# Altium PCB ARDUINO_PCB.PcbDoc
Units mm, origin at the board's own origin, x right, y up, seen from the top; angles counter-clockwise.
Board outline 73.3 x 54.2 mm, 2 copper layers (L1, L2), stack 1.671 mm thick; 106 components, 71 nets, 323 pads, 74 vias.
Unrouted connection lines stored in the file: 2.
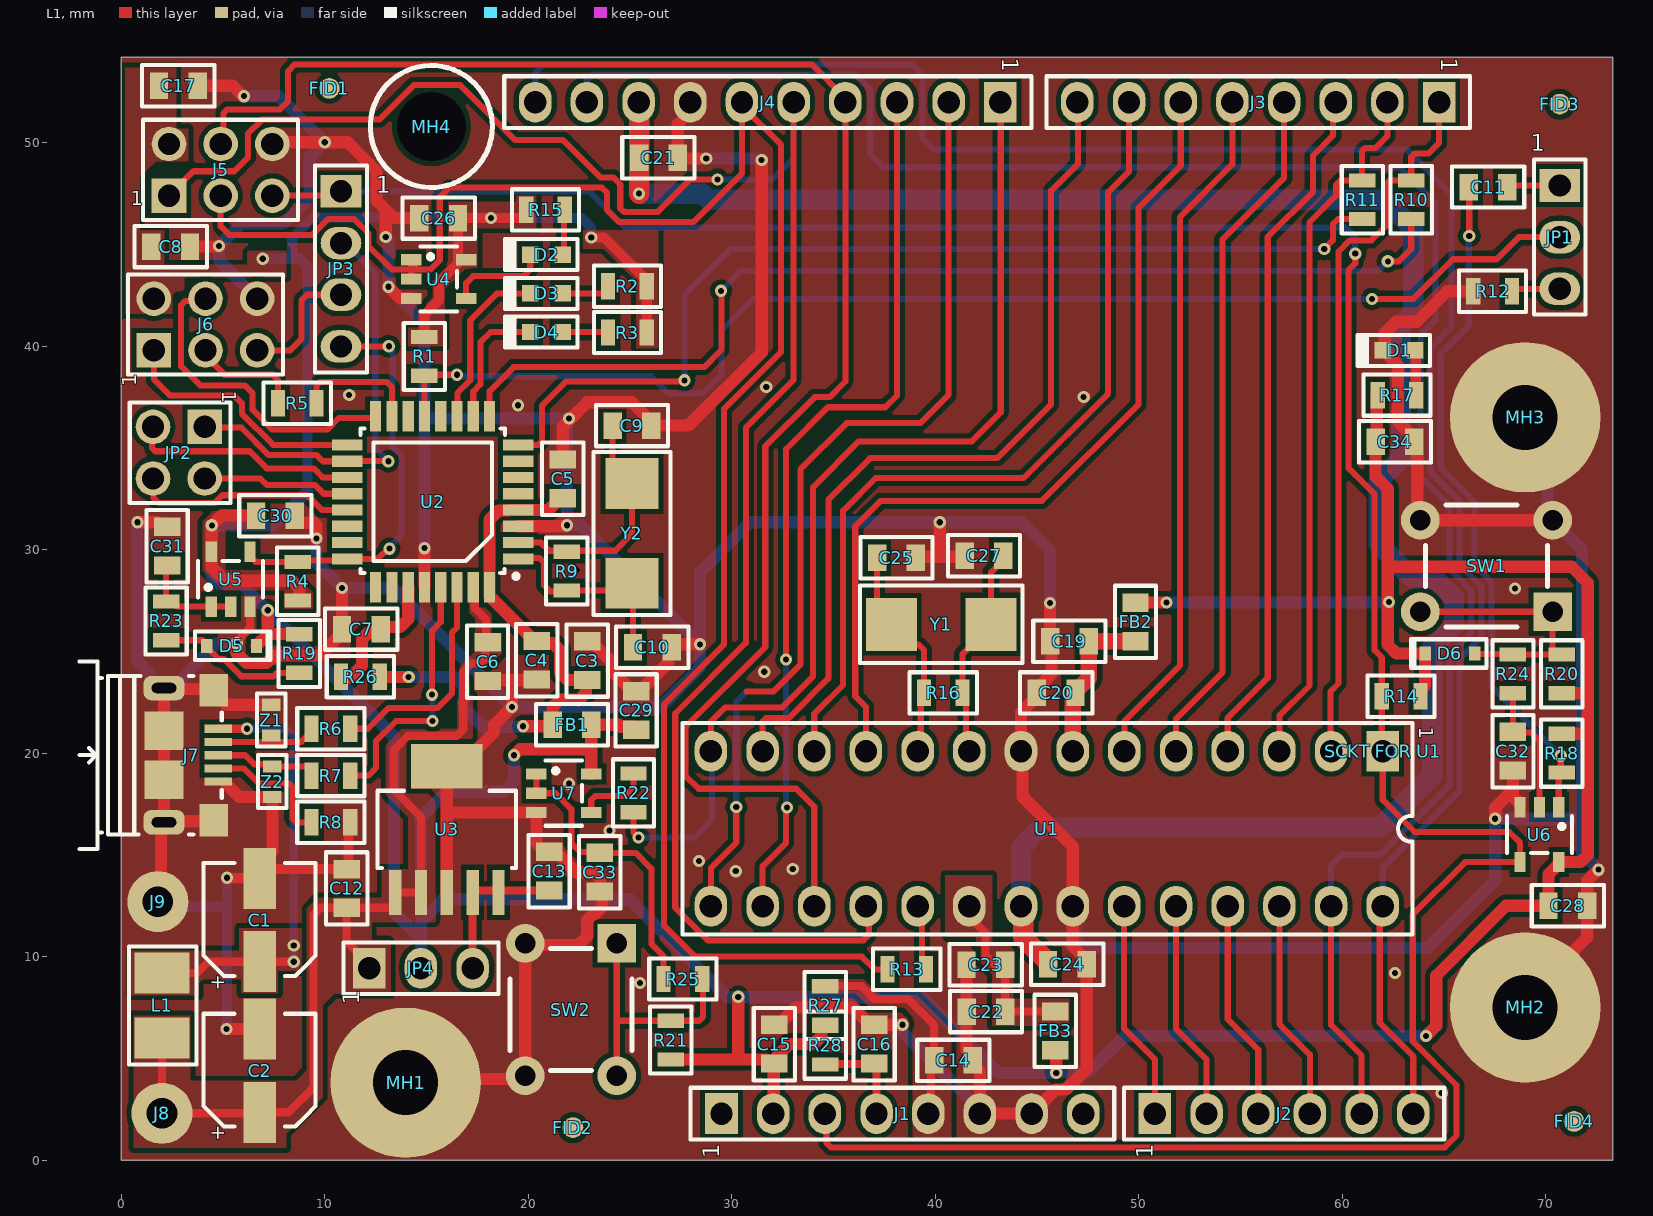
[diagram p0: L1 view]
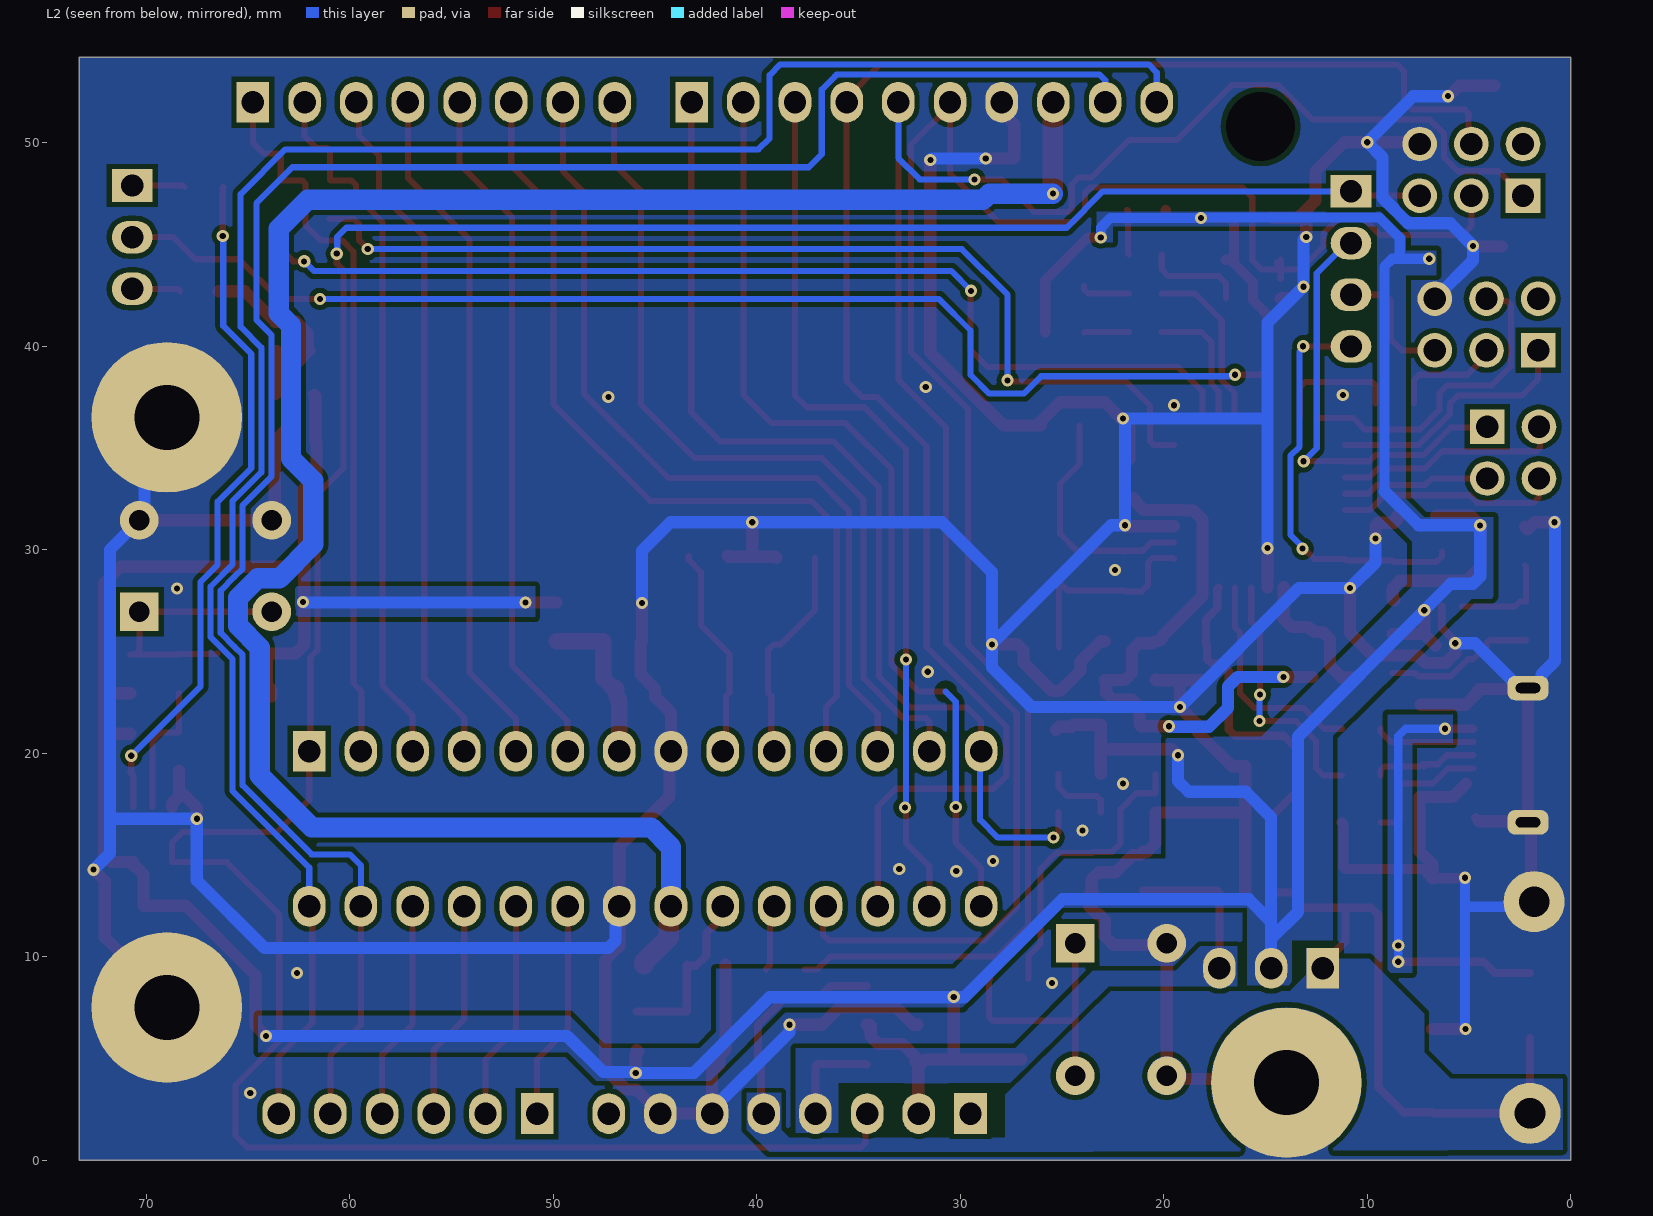
[diagram p1: L2 view, seen from below]
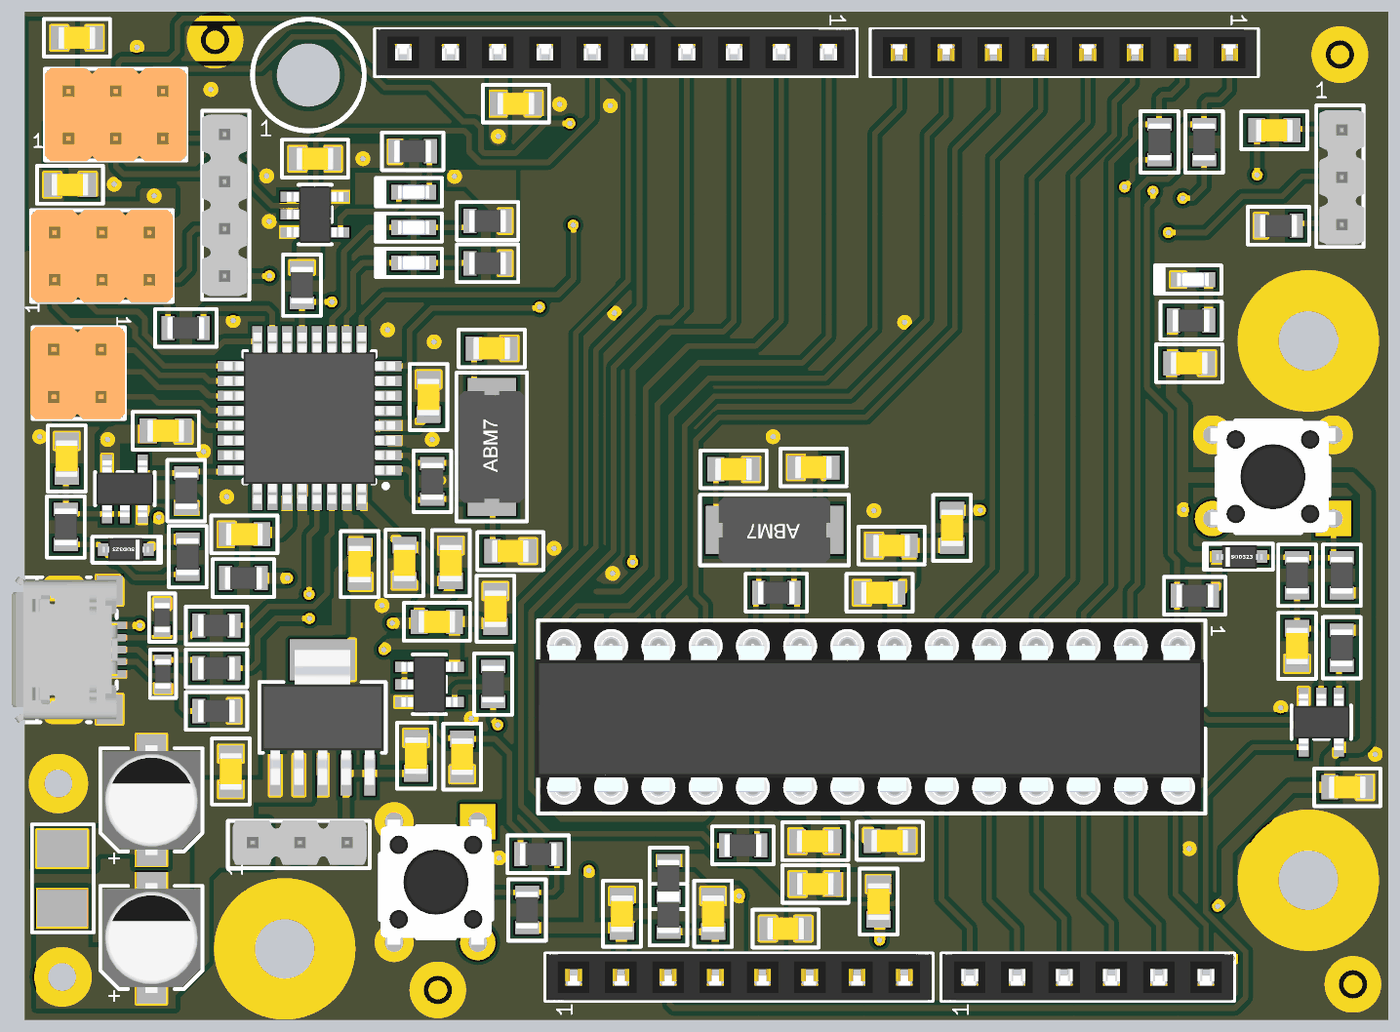
[diagram p2: 3D render of the assembled board from above, using the file's embedded part models]

## Layer stack, top to bottom
Top Solder: solder mask 0.0102, Solder Resist, Dk 3.5
L1: signal copper 0.0356
Dielectric 1: dielectric 1.6, FR-4, Dk 4.8
L2: signal copper 0.0356
Bottom Solder: solder mask 0.0102, Solder Resist, Dk 3.5

## Board outline
0,0 73.3,0 73.3,54.2 0,54.2

## Design rules (kind name [scope] priority, off if disabled: settings)
Clearance "Polygon Clearance" [IsRegion] p1: gap=0.25 ignorepadtopadclearanceinfootprint=FALSE
Clearance [All] p2: gap=0.2 ignorepadtopadclearanceinfootprint=FALSE
ComponentClearance ComponentClearance_1 [All] p1: gap=0.254 collisioncheckmode=3 verticalgap=0.254 showdistances=FALSE
ComponentClearance "U1 28DIP" [InComponent('U1') vs InComponent('SCKT FOR U1')] p2: gap=0.001 collisioncheckmode=3 verticalgap=0.001 showdistances=FALSE
ComponentClearance "SW2 FID4" [InComponent('SW2') vs InComponent('FID4')] p3: gap=0 collisioncheckmode=3 verticalgap=2540 showdistances=FALSE
ComponentClearance "DIP SOCKET toMH2 and U1" [InComponent('SCKT FOR U1') vs InComponent('MH2')or InComponent('U1')] p4: gap=0 collisioncheckmode=3 verticalgap=0 showdistances=FALSE
HoleSize [All] p1: absolutevalues=TRUE maxlimit=10 minlimit=0.2 maxpercent=80.000 minpercent=20.000
HoleToHoleClearance [All] p1: gap=0.3 allowstackedmicrovias=TRUE
MinimumSolderMaskSliver [All] p1: minsoldermaskwidth=0.1
PolygonConnect [All] p1: connectstyle=Direct reliefconductorwidth=0.254 reliefentries=4 polygonreliefangle="90 Angle" airgapwidth=0.254
RoutingVias [All] p1: holewidth=0.3 width=0.6 viastyle="Through Hole" minholewidth=0.3 minwidth=0.6 maxholewidth=0.3 maxwidth=0.6
SilkToSilkClearance [All] p1: silktosilkclearance=0.1
SilkToSolderMaskClearance [IsPad] p1: minsilkscreentomaskgap=0.1 clearancetoexposedcopper=TRUE
SolderMaskExpansion [All] p1: expansion=0.1 istentingtop=FALSE
Width Width_POWER [InNet('+*') or InNet('GND')] p1: maxlimit=4 minlimit=0.4 preferedwidth=0.4
Width [All] p2: maxlimit=0.5 minlimit=0.3 preferedwidth=0.3
24 further rules are at their usual default settings.

## Components (designator, comment, footprint, x,y, rotation, side; value= is the part's Value field where it differs from the comment)
C1 "100UF" Capacitor 6.8,11.8 r90 top
C2 "100UF" Capacitor 6.8,4.4 r90 top
C3 "10uF/16V" C0805 22.9,24.55 r270 top
C4 "100n" C0805 20.414,24.568 r90 top
C5 "100n" C0805 21.7,33.483 r270 top
C6 "100n" C0805 18,24.5 r90 top
C7 "1uF/25V" C0805 11.8,26.1 r0 top
C8 "100n" C0805 2.425,44.9 r180 top
C9 "18pF" C0805 25.1,36.1 r180 top
C10 "18pF" C0805 26.1,25.2 r180 top
C11 "100n" C0805 67.175,47.825 r0 top
C12 "10uF/16V" C0805 11.075,13.352 r270 top
C13 "10uF/16V" C0805 21.025,14.2 r270 top
C14 "100n" C0805 40.9,4.9 r180 top
C15 "100n" C0805 32.1,5.7 r270 top
C16 "100n" C0805 37,5.7 r270 top
C17 "100n" C0805 2.8,52.8 r180 top
C19 "10uF/16V" C0805 46.6,25.5 r0 top
C20 "100n" C0805 45.95,22.96 r0 top
C21 "10uF/16V" C0805 26.4,49.26 r180 top
C22 "10uF/16V" C0805 42.5,7.3 r0 top
C23 "100n" C0805 42.49,9.6 r0 top
C24 "100n" C0805 46.5,9.62 r180 top
C25 "18pF" C0805 38.1,29.6 r180 top
C26 "100n" C0805 15.6,46.3 r0 top
C27 "18pF" C0805 42.4,29.7 r0 top
C28 "100n" C0805 71.1,12.5 r180 top
C29 "100n" C0805 25.3,22.1 r270 top
C30 "100n" C0805 7.575,31.675 r180 top
C31 "100n" C0805 2.25,30.175 r270 top
C32 "100n" C0805 68.4,20.1 r90 top
C33 "100n" C0805 23.511,14.15 r90 top
C34 "10uF/16V" C0805 62.6,35.3 r180 top
D1 "GREEN" LED_0603 62.8,39.8 r0 top
D2 "Orange led" LED_0603 20.9,44.5 r0 top
D3 "Orange led" LED_0603 20.9,42.6 r0 top
D4 "Orange led" LED_0603 20.9,40.7 r0 top
D5 "BAT54HT1G" SOD323 5.425,25.275 r180 top
D6 "BAT54HT1G" SOD323 65.3,24.9 r0 top
FB1 "MPZ2012S601AT000" C0805 22.15,21.4 r180 top
FB2 "MPZ2012S601AT000" C0805 49.848,26.45 r270 top
FB3 "MPZ2012S601AT000" C0805 45.9,6.35 r90 top
FID1 "FID_1mmm" FID_1MM 10.225,52.675 r0 top
FID2 "FID_1mmm" FID_1MM 22.2,1.6 r90 top
FID3 "FID_1mmm" FID_1MM 70.7,51.9 r90 top
FID4 "FID_1mmm" FID_1MM 71.4,1.9 r90 top
J1 "HDR Female 1x8 2.54mm" HDR_1x8 29.5,2.286 r90 top
J2 "HDR Female 1x6 2.54mm" HDR_1x6 50.8,2.286 r90 top locked
J3 "HDR Female 1x8 2.54mm" HDR_1x8 64.77,52 r270 top locked
J4 "HDR Female 1x10 2.54mm" HDR_1x10 43.205,52 r270 top locked
J5 "HDR 2x3" "HDR 2x3 2.54mm" 2.345,47.4 r90 top
J6 "HDR 2x3" "HDR 2x3 2.54mm" 1.6,39.8 r90 top
J7 "USB" USB_Type_B 3.438,19.9 r270 top
J8 "4MMx1.5MM" Pad_With_hole_4MMx1.5MM 2,2.3 r0 top
J9 "4MMx1.5MM" Pad_With_hole_4MMx1.5MM 1.8,12.7 r0 top
JP1 "HDR 1x3" HDR_1x3 70.7,47.9 r0 top
JP2 "HDR 2x2" "HDR 2x2 2.54mm" 4.1,36.04 r270 top
JP3 "HDR 1x4" HDR_1x4 10.8,43.8 r0 top
JP4 "HDR 1x3" HDR_1x3 12.185,9.425 r90 top
L1 "2u2/2A" C1210_INDUCTOR 2,7.6 r270 top
MH1 "MH_7.4MMC_3,2MMD" MH_7.4MMC_3.2MMD 13.97,3.81 r0 top locked
MH2 "MH_7.4MMC_3,2MMD" MH_7.4MMC_3.2MMD 69,7.5 r0 top locked
MH3 "MH_7.4MMC_3,2MMD" MH_7.4MMC_3.2MMD 69,36.5 r0 top locked
MH4 "MH_7.4MMC_3.3MMD NP" MH_7.4MMC_3.2MMD_NP 15.24,50.8 r0 top locked
R1 "100K" R0805 14.9,39.5 r90 top
R2 "560R" R0805 24.875,42.95 r0 top
R3 "560R" R0805 24.875,40.675 r0 top
R4 "10K" R0805 8.675,28.45 r270 top
R5 "22R" R0805 8.65,37.2 r180 top
R6 "22R" R0805 10.3,21.2 r0 top
R7 "22R" R0805 10.3,18.9 r0 top
R8 "0R" R0805 10.3,16.6 r0 top
R9 "1M" R0805 21.9,28.95 r90 top
R10 "1K" R0805 63.4,47.2 r90 top
R11 "1K" R0805 61,47.2 r90 top
R12 "1K" R0805 67.4,42.7 r0 top
R13 "22R" R0805 38.606,9.375 r180 top
R14 "10K" R0805 62.9,22.8 r0 top
R15 "560R" R0805 20.85,46.7 r180 top
R16 "1M" R0805 40.4,22.96 r180 top
R17 "560R" R0805 62.7,37.6 r180 top
R18 "10K" R0805 70.8,20 r90 top
R19 "10K" R0805 8.75,24.9 r90 top
R20 "10K" R0805 70.8,23.9 r270 top
R21 "10K" R0805 27,5.9 r270 top
R22 "560R" R0805 25.175,18.05 r270 top
R23 "22R" R0805 2.2,26.5 r90 top
R24 "22R" R0805 68.4,23.9 r270 top
R25 "22R" R0805 27.6,8.9 r180 top
R26 "0R" R0805 11.75,23.75 r0 top
R27 "0R" R0805 34.6,7.6 r270 top
R28 "0R" R0805 34.6,5.65 r270 top
"SCKT FOR U1" "28 dip shocket" 28_DIP_7.62mm_SOCKET 62,20.1 r270 top locked
SW1 "Switch Tactile" Switch 67.1,29.2 r270 top
SW2 "Switch Tactile" Switch 22.1,7.4 r0 top
U1 "ATMEGA328P-PU" DIP28_7.62mm 62,20.1 r270 top locked
U2 "ATMEGA16U2-AU" TQFP32 15.3,32.4 r180 top
U3 "TL1963A-33DCQR" "DCQ (R-POSD-G6)" 16,16.254 r90 top
U4 "SN74AHC1G09DBVR" SOP6_DBV 15.6,43.3 r0 top
U5 "SN74AHC1G09DBVR" SOP6_DBV 5.375,28.55 r90 top
U6 "SN74AHC1G09DBVR" SOP6_DBV 69.7,16 r270 top
U7 "SN74AHC1G09DBVR" SOP6_DBV 21.75,18.032 r0 top
Y1 "16MHz" ABM7_v1_BIG 40.3,26.331 r180 top
Y2 "16MHz" ABM7_v1_BIG 25.1,30.8 r90 top
Z1 "CG0603MLC-05E" 0603 7.375,21.625 r270 top
Z2 "CG0603MLC-05E" 0603 7.425,18.6 r90 top

## Footprints (in the part's own frame and the unit in brackets; to place one, negate y for a bottom-side part, rotate by r counter-clockwise, add the part's x,y. Pads: shape width x height; smd on the part's side, far side on the other; paste and mask are expansions set on the pad)
28_DIP_7.62mm_SOCKET [mm]
  body extent -1.24,-34.26 8.86,1.24, height 4.2
0603 [mm]
  rect 0.6x0.9 smd: 1(-0.75,0) 2(0.75,0)
  silkscreen extent -1.3,-0.7 1.3,0.7, body extent -0.8,-0.42 0.8,0.43, height 0.81
ABM7_v1_BIG [mm]
  rect 2.5x2.6 smd: 1(-2.45,0) 2(2.45,0)
  silkscreen extent -4,-1.9 4,1.9, body extent -3,-1.75 3,1.75, height 1.41
C0805 [mm]
  rect 0.9x1.3 smd: 1(-0.95,0) 2(0.95,0)
  silkscreen extent -1.78,-1.02 1.78,1.02, body extent -1,-0.6 1,0.6, height 0.96
C1210_INDUCTOR [mm]
  rect 2x2.7 smd: 1(-1.6,0) 2(1.6,0)
  silkscreen extent -2.9,-1.63 2.9,1.7, body extent -1.6,-1.25 1.6,1.25, height 2.7
Capacitor [mm]
  rect 3x1.6 smd: 1(-2.05,0) 2(2.05,0)
  silkscreen extent -2.75,-2.75 2.79,2.75, body extent -2.95,-2.65 2.95,2.65, height 5.43
"DCQ (R-POSD-G6)" [mm]
  rect 2.2x0.6 smd: 1(-3.1,2.54) 2(-3.1,1.27) 3(-3.1,0) 4(-3.1,-1.27) 5(-3.1,-2.54)
  rect 2.2x3.5 smd: 6(3.1,0)
  silkscreen extent -1.9,-3.4 1.9,3.4, body extent -3.63,-3.27 3.63,3.28, height 1.77
DIP28_7.62mm [mm]
  rect 2x1.6 hole 1.1: 1(0,0)
  oval 2x1.6 hole 1.1: 2(0,-2.54) 3(0,-5.08) 4(0,-7.62) 5(0,-10.16) 6(0,-12.7) 7(0,-15.24) 8(0,-17.78) 9(0,-20.32) 10(0,-22.86) 11(0,-25.4) 12(0,-27.94) 13(0,-30.48) 14(0,-33.02) 15(7.62,-33.02) 16(7.62,-30.48) 17(7.62,-27.94) 18(7.62,-25.4) 19(7.62,-22.86) 20(7.62,-20.32) 21(7.62,-17.78) 22(7.62,-15.24) 23(7.62,-12.7) 24(7.62,-10.16) 25(7.62,-7.62) 26(7.62,-5.08) 27(7.62,-2.54) 28(7.62,0)
  silkscreen extent -1.39,-34.41 9.01,1.47, body extent -0.03,-34.56 7.85,1.38, height 7.55
FID_1MM [mil]
  round 40 smd paste-40 mask+40: 1(0,0)
"HDR 2x2 2.54mm" [mm]
  rect 1.7x1.7 hole 1.1: 1(0,0)
  round 1.7 hole 1.1: 2(2.54,0) 3(0,-2.54) 4(2.54,-2.54)
  silkscreen extent -1.19,-3.68 3.73,1.27, body extent -1.23,-3.81 3.77,1.27, height 8.04
"HDR 2x3 2.54mm" [mm]
  rect 1.7x1.7 hole 1.1: 1(0,0)
  round 1.7 hole 1.1: 2(2.54,0) 3(0,-2.54) 4(2.54,-2.54) 5(0,-5.08) 6(2.54,-5.08)
  silkscreen extent -1.19,-6.35 3.73,1.27, body extent -1.24,-6.35 3.76,1.27, height 8.04
HDR_1x3 [mm]
  rect 2x1.6 hole 1.1: 1(0,0)
  oval 2x1.6 hole 1.1: 2(0,-2.54) 3(0,-5.08)
  silkscreen extent -1.27,-6.35 1.27,1.27, body extent -1.1,-6.21 1.31,1.01, height 8.39
HDR_1x4 [mm]
  rect 2x1.6 hole 1.1: 1(0,3.81)
  oval 2x1.6 hole 1.1: 2(0,1.27) 3(0,-1.27) 4(0,-3.81)
  silkscreen extent -1.27,-5.08 1.27,5.08, body extent -1.27,-4.88 1.14,4.88, height 8.39
HDR_1x6 [mm]
  rect 2x1.6 hole 1.1: 1(0,0)
  oval 2x1.6 hole 1.1: 2(0,-2.54) 3(0,-5.08) 4(0,-7.62) 5(0,-10.16) 6(0,-12.7)
  silkscreen extent -1.27,-14.22 1.27,1.52, body extent -1.25,-14.17 1.25,1.47, height 8.51
HDR_1x8 [mm]
  rect 2x1.6 hole 1.1: 1(0,0)
  oval 2x1.6 hole 1.1: 2(0,-2.54) 3(0,-5.08) 4(0,-7.62) 5(0,-10.16) 6(0,-12.7) 7(0,-15.24) 8(0,-17.78)
  silkscreen extent -1.27,-19.3 1.27,1.52, body extent -1.25,-19.25 1.25,1.47, height 8.51
HDR_1x10 [mm]
  rect 2x1.6 hole 1.1: 1(0,0)
  oval 2x1.6 hole 1.1: 2(0,-2.54) 3(0,-5.08) 4(0,-7.62) 5(0,-10.16) 6(0,-12.7) 7(0,-15.24) 8(0,-17.78) 9(0,-20.32) 10(0,-22.86)
  silkscreen extent -1.27,-24.38 1.27,1.52, body extent -1.27,-24.33 1.23,1.47, height 8.51
LED_0603 [mm]
  rect 0.8x0.8 smd: 1(-0.8,0) 2(0.8,0)
  silkscreen extent -2.03,-0.81 1.52,0.76, body extent -0.85,-0.4 0.85,0.4, height 0.7
MH_7.4MMC_3.2MMD [mm]
  round 7.4 hole 3.2: 1(0,0)
MH_7.4MMC_3.2MMD_NP [mm]
  round 3.2 hole 3.4 unplated: 1(0,0)
  silkscreen extent -3,-3 3,3
Pad_With_hole_4MMx1.5MM [mm]
  round 3 hole 1.5: 1(0,0)
R0805 [mm]
  rect 0.7x1.3 smd: 1(-0.95,0) 2(0.95,0)
  silkscreen extent -1.65,-1.02 1.65,1.02, body extent -1,-0.6 1,0.6, height 0.71
SOD323 [mil]
  rect 22x27 smd: 1(-48,0) 2(48,0)
  silkscreen extent -75,-30 71,28, body extent -49,-25 49,24, height 39
SOP6_DBV [mm]
  rect 1x0.55 smd: 1(-1.35,0.95) 2(-1.35,0) 3(-1.35,-0.95) 4(1.35,-0.95) 5(1.35,0.95)
  silkscreen extent -0.9,-1.6 0.9,1.6, body extent -1.51,-1.52 1.51,1.52, height 1.59
Switch [mm]
  rect 1.9x1.9 hole 1: 1(2.25,3.25)
  round 1.9 hole 1: 2(2.25,-3.25) 3(-2.25,3.25) 4(-2.25,-3.25)
  silkscreen extent -3,-3 3,3, body extent -3,-3.9 2.99,3.9, height 5.1
TQFP32 [mm]
  rect 1.5x0.55 smd mask+0.06: 1(-4.2,2.85) 2(-4.2,2.05) 3(-4.2,1.25) 4(-4.2,0.45) 5(-4.2,-0.35) 6(-4.2,-1.15) 7(-4.2,-1.95) 8(-4.2,-2.75) 17(4.2,-2.75) 18(4.2,-1.95) 19(4.2,-1.15) 20(4.2,-0.35) 21(4.2,0.45) 22(4.2,1.25) 23(4.2,2.05) 24(4.2,2.85)
  rect 0.55x1.5 smd mask+0.06: 9(-2.8,-4.15) 10(-2,-4.15) 11(-1.2,-4.15) 12(-0.4,-4.15) 13(0.4,-4.15) 14(1.2,-4.15) 15(2,-4.15) 16(2.8,-4.15) 25(2.8,4.25) 26(2,4.25) 27(1.2,4.25) 28(0.4,4.25) 29(-0.4,4.25) 30(-1.2,4.25) 31(-2,4.25) 32(-2.8,4.25)
  silkscreen extent -4.2,-3.55 3.55,3.8, body extent -4.6,-4.55 4.6,4.65, height 1.2
USB_Type_B [mm]
  rect 0.4x1.35 smd mask+0.05: 1(-1.3,1.338) 2(-0.65,1.338) 3(0,1.338) 4(0.65,1.338) 5(1.3,1.338)
  rect 1.6x1.4 smd: 6(-3.2,1.112) 7(3.2,1.112)
  rrect60% 1.2x2 hole 0.5 slot 1.2 at 90 deg: 8(-3.3,-1.338) 9(3.3,-1.338)
  rect 1.9x1.9 smd: 10(-1.2,-1.338) 11(1.2,-1.338)
  silkscreen extent -4.6,-5.5 4.6,1.5, body extent -3.93,-4.12 3.93,1.54, height 2.81

## Part data
C1 C2: library part EEE-1AA101WR, "CAP ALUM 100UF 20% 10V SMD", Capacitance=100uF, Case/Package=Radial, Manufacturer=Panasonic, Max Operating Temperature=85°C, Min Operating Temperature=-40°C, Package Quantity=1, Ripple Current=50mA, Supplier Part Number 1=47AC4781, Tolerance=20%, Voltage Rating=10V, Category="Aluminum Electrolytic Capacitors", ComponentLink1Description=https://datasheet.ciiva.com/26945/getdatasheetpartid-169213-26945071.pdf?src-supplier=Verical, ComponentLink1URL=https://datasheet.ciiva.com/26945/getdatasheetpartid-169213-26945071.pdf?src-supplier=Verical, ComponentLink2Description=https://datasheet.ciiva.com/24027/aba0000ce2-40801-24027541.pdf?src-supplier=Mouser, ComponentLink2URL=https://datasheet.ciiva.com/24027/aba0000ce2-40801-24027541.pdf?src-supplier=Mouser, ComponentLink3Description=https://datasheet.ciiva.com/14598/70255710-14598233.pdf?src-supplier=Allied+Electronics, ComponentLink3URL=https://datasheet.ciiva.com/14598/70255710-14598233.pdf?src-supplier=Allied+Electronics, ComponentLink4Description=https://datasheet.ciiva.com/14605/70255710-14605689.pdf?src-supplier=Allied+Electronics, ComponentLink4URL=https://datasheet.ciiva.com/14605/70255710-14605689.pdf?src-supplier=Allied+Electronics, ComponentLink5Description=https://datasheet.ciiva.com/11673/aba0000ce2-11673882.pdf?src-supplier=Avnet, ComponentLink5URL=https://datasheet.ciiva.com/11673/aba0000ce2-11673882.pdf?src-supplier=Avnet, ComponentLink6Description=https://datasheet.ciiva.com/16427/aba0000ce2-16427544.pdf?src-supplier=Future+Electronics, ComponentLink6URL=https://datasheet.ciiva.com/16427/aba0000ce2-16427544.pdf?src-supplier=Future+Electronics, ComponentLink7Description=https://datasheet.ciiva.com/2983/aba0000ce2-2983906.pdf?src-supplier=Avnet, ComponentLink7URL=https://datasheet.ciiva.com/2983/aba0000ce2-2983906.pdf?src-supplier=Avnet, ComponentLink8Description=https://datasheet.ciiva.com/30075/11aba0000ce2-30075303.pdf?src-supplier=Onlinecomponents.com, ComponentLink8URL=https://datasheet.ciiva.com/30075/11aba0000ce2-30075303.pdf?src-supplier=Onlinecomponents.com, Construction=Cylindrical, Contact Plating=Tin, Diameter=5mm, Height=5.4mm, Height - Seated (Max)=0.213inch, Lead Free="Lead Free", Length=5.5mm, Life (Hours)=1000Hour, Manufacturer Part Number=EEE-1AA101WR, Mount="Surface Mount,PCB", Packaging="Tape and Reel", Pricing 1="1=0.15000, 1000=0.15000 (USD)", Radiation Hardening=No, REACH SVHC=Unknown, Ripple Current (AC)=50mA, RoHS=Yes, RoHS Compliant=Yes, Series=S, Stock 1=2000, Supplier 1=Newark, Termination=SMD/SMT, Voltage Rating (DC)=10V
C3 C12 C13 C19 C21 C22 C34: library part C2012X5R1C106M085AC, "10uF TDK - C2012X5R1C106M085AC - SMD Multilayer Ceramic Capacitor, 10 µF, 16 V, 0805 [2012 Metric], ± 20%, X5R, C Series TDK", Capacitance=10uF, Case Code (Imperial)=0805, Case Code (Metric)=2012, Dielectric=X5R, Dielectric Material=Ceramic, Manufacturer=TDK, Max Operating Temperature=85°C, Min Operating Temperature=-55°C, Package Quantity=4000, Supplier Part Number 1=445-7645-1-ND, Tolerance=20%, Voltage=16V, Case/Package=0805, Category="Ceramic Capacitors", ComponentLink1Description=https://datasheet.ciiva.com/24218/c2012x5r1c106m085ac-265002-24218340.pdf?src-supplier=Mouser, ComponentLink1URL=https://datasheet.ciiva.com/24218/c2012x5r1c106m085ac-265002-24218340.pdf?src-supplier=Mouser, ComponentLink2Description=https://datasheet.ciiva.com/11788/0900766b80c1bb00-11788108.pdf?src-supplier=RSComponents, ComponentLink2URL=https://datasheet.ciiva.com/11788/0900766b80c1bb00-11788108.pdf?src-supplier=RSComponents, ComponentLink3Description=https://datasheet.ciiva.com/6290/tdkmlcccaprange-6290485.pdf?src-supplier=Digi-Key, ComponentLink3URL=https://datasheet.ciiva.com/6290/tdkmlcccaprange-6290485.pdf?src-supplier=Digi-Key, ComponentLink4Description=https://datasheet.ciiva.com/22725/1913358-22725557.pdf?src-supplier=Element14, ComponentLink4URL=https://datasheet.ciiva.com/22725/1913358-22725557.pdf?src-supplier=Element14, ComponentLink5Description=https://datasheet.ciiva.com/6290/tdkmlcccaprange-6290487.pdf?src-supplier=Digi-Key, ComponentLink5URL=https://datasheet.ciiva.com/6290/tdkmlcccaprange-6290487.pdf?src-supplier=Digi-Key, ComponentLink6Description=https://datasheet.ciiva.com/16449/e412-c-16449591.pdf?src-supplier=Future+Electronics, ComponentLink6URL=https://datasheet.ciiva.com/16449/e412-c-16449591.pdf?src-supplier=Future+Electronics, ComponentLink7Description=https://datasheet.ciiva.com/23803/1796654-23803021.pdf?src-supplier=Newark, ComponentLink7URL=https://datasheet.ciiva.com/23803/1796654-23803021.pdf?src-supplier=Newark, Depth=1.25mm, Height=0.85mm, Lead Free="Lead Free", Length=2mm, Manufacturer Part Number=C2012X5R1C106M085AC, Mount="Surface Mount", Number of Pins=2, Packaging="Tape and Reel", Pricing 1="1=0.28000, 10=0.19000, 50=0.11380, 100=0.09610, 500=0.06578, 1000=0.05819 (USD)", REACH SVHC="No SVHC", Resistor Type=Ceramic, RoHS=Yes, Stock 1=562893, Supplier 1=Digi-Key, Termination=SMD/SMT, Thickness=0.037inch, Voltage Rating=16V, Voltage Rating (DC)=16V, Weight=0.000194oz, Width=0.049inch
C4 C5 C6 C8 C11 C14 C15 C16 C17 C20 C23 C24 C26 C28 C29 C30 C31 C32 C33: library part C2012X7R1H104K085AA, "100nF C Series 0805 0.1 uF 50 V ±10 % Tolerance X7R SMT Multilayer Ceramic Capacitor", Capacitance=100nF, Case Code (Imperial)=0805, Case Code (Metric)=2012, Dielectric=X7R, Dielectric Material=Ceramic, Manufacturer=TDK, Max Operating Temperature=125°C, Min Operating Temperature=-55°C, Package Quantity=1, Supplier Part Number 1=445-7534-1-ND, Tolerance=10%, Voltage=50V, Case/Package=0805, Category="Ceramic Capacitors", ComponentLink1Description=https://datasheet.ciiva.com/11788/0900766b80c1bb00-11788128.pdf?src-supplier=RSComponents, ComponentLink1URL=https://datasheet.ciiva.com/11788/0900766b80c1bb00-11788128.pdf?src-supplier=RSComponents, ComponentLink2Description=https://datasheet.ciiva.com/6250/tdkmlcccaprange-6250821.pdf?src-supplier=Digi-Key, ComponentLink2URL=https://datasheet.ciiva.com/6250/tdkmlcccaprange-6250821.pdf?src-supplier=Digi-Key, ComponentLink3Description=https://datasheet.ciiva.com/24191/e412-c-24191447.pdf?src-supplier=Future+Electronics, ComponentLink3URL=https://datasheet.ciiva.com/24191/e412-c-24191447.pdf?src-supplier=Future+Electronics, ComponentLink4Description=https://datasheet.ciiva.com/6250/tdkmlcccaprange-6250824.pdf?src-supplier=Digi-Key, ComponentLink4URL=https://datasheet.ciiva.com/6250/tdkmlcccaprange-6250824.pdf?src-supplier=Digi-Key, ComponentLink5Description=https://datasheet.ciiva.com/23803/1796654-23803035.pdf?src-supplier=Newark, ComponentLink5URL=https://datasheet.ciiva.com/23803/1796654-23803035.pdf?src-supplier=Newark, ComponentLink6Description=https://datasheet.ciiva.com/28602/1571323-28602204.pdf?src-supplier=Element14, ComponentLink6URL=https://datasheet.ciiva.com/28602/1571323-28602204.pdf?src-supplier=Element14, Construction=Flat, Depth=1.25mm, Height=0.85mm, Lead Free="Lead Free", Length=2mm, Manufacturer Part Number=C2012X7R1H104K085AA, Mount="Surface Mount", Number of Pins=2, Packaging="Tape and Reel", Pricing 1="1=0.15000, 10=0.10400, 50=0.05900, 100=0.04880, 500=0.03422, 1000=0.02833 (USD)", Radiation Hardening=No, REACH SVHC="No SVHC", Resistor Type=Ceramic, RoHS=Yes, RoHS Compliant=Yes, Series=C, Stock 1=1733735, Supplier 1=Digi-Key, Termination=SMD/SMT, Thickness=0.037inch, Voltage Rating=50V, Voltage Rating (DC)=50V, Weight=0.000194oz, Width=0.049inch
C7: library part C2012X5R1E105K125AA, "1uF TDK - C2012X5R1E105K125AA - SMD Multilayer Ceramic Capacitor, 1 µF, 25 V, 0805 [2012 Metric], ± 10%, X5R, C Series", Capacitance=1uF, Case Code (Imperial)=0805, Case Code (Metric)=2012, Dielectric=X5R, Dielectric Material=Ceramic, Manufacturer=TDK, Max Operating Temperature=85°C, Min Operating Temperature=-55°C, Package Quantity=2000, Supplier Part Number 1=445-1419-1-ND, Tolerance=10%, Voltage=25V, Case/Package=0805, Category="Ceramic Capacitors", ComponentLink1Description=https://datasheet.ciiva.com/11787/0900766b80c1bb00-11787608.pdf?src-supplier=RSComponents, ComponentLink1URL=https://datasheet.ciiva.com/11787/0900766b80c1bb00-11787608.pdf?src-supplier=RSComponents, ComponentLink2Description=https://datasheet.ciiva.com/16449/e412-c-16449595.pdf?src-supplier=Future+Electronics, ComponentLink2URL=https://datasheet.ciiva.com/16449/e412-c-16449595.pdf?src-supplier=Future+Electronics, ComponentLink3Description=https://datasheet.ciiva.com/28602/1744655-28602171.pdf?src-supplier=Element14, ComponentLink3URL=https://datasheet.ciiva.com/28602/1744655-28602171.pdf?src-supplier=Element14, ComponentLink4Description=https://datasheet.ciiva.com/15192/getdatasheetpartid-726707-15192140.pdf?src-supplier=Verical, ComponentLink4URL=https://datasheet.ciiva.com/15192/getdatasheetpartid-726707-15192140.pdf?src-supplier=Verical, Construction=Flat, Depth=1.25mm, Height=1.25mm, Lead Free="Lead Free", Length=2mm, Manufacturer Part Number=C2012X5R1E105K125AA, Mount="Surface Mount", Number of Pins=2, Packaging="Tape and Reel", Pricing 1="1=0.23000, 10=0.15800, 50=0.09500, 100=0.08030, 500=0.05492, 1000=0.04858 (USD)", Radiation Hardening=No, REACH SVHC="No SVHC", Resistor Type=Ceramic, RoHS=Yes, RoHS Compliant=Yes, Series=C, Stock 1=55004, Supplier 1=Digi-Key, Termination=SMD/SMT, Thickness=0.057inch, Voltage Rating=25V, Voltage Rating (DC)=25V, Weight=0.000194oz, Width=0.049inch